# Allegro board ultrasound_tnr_1000a_01_20171121.brd (continued)
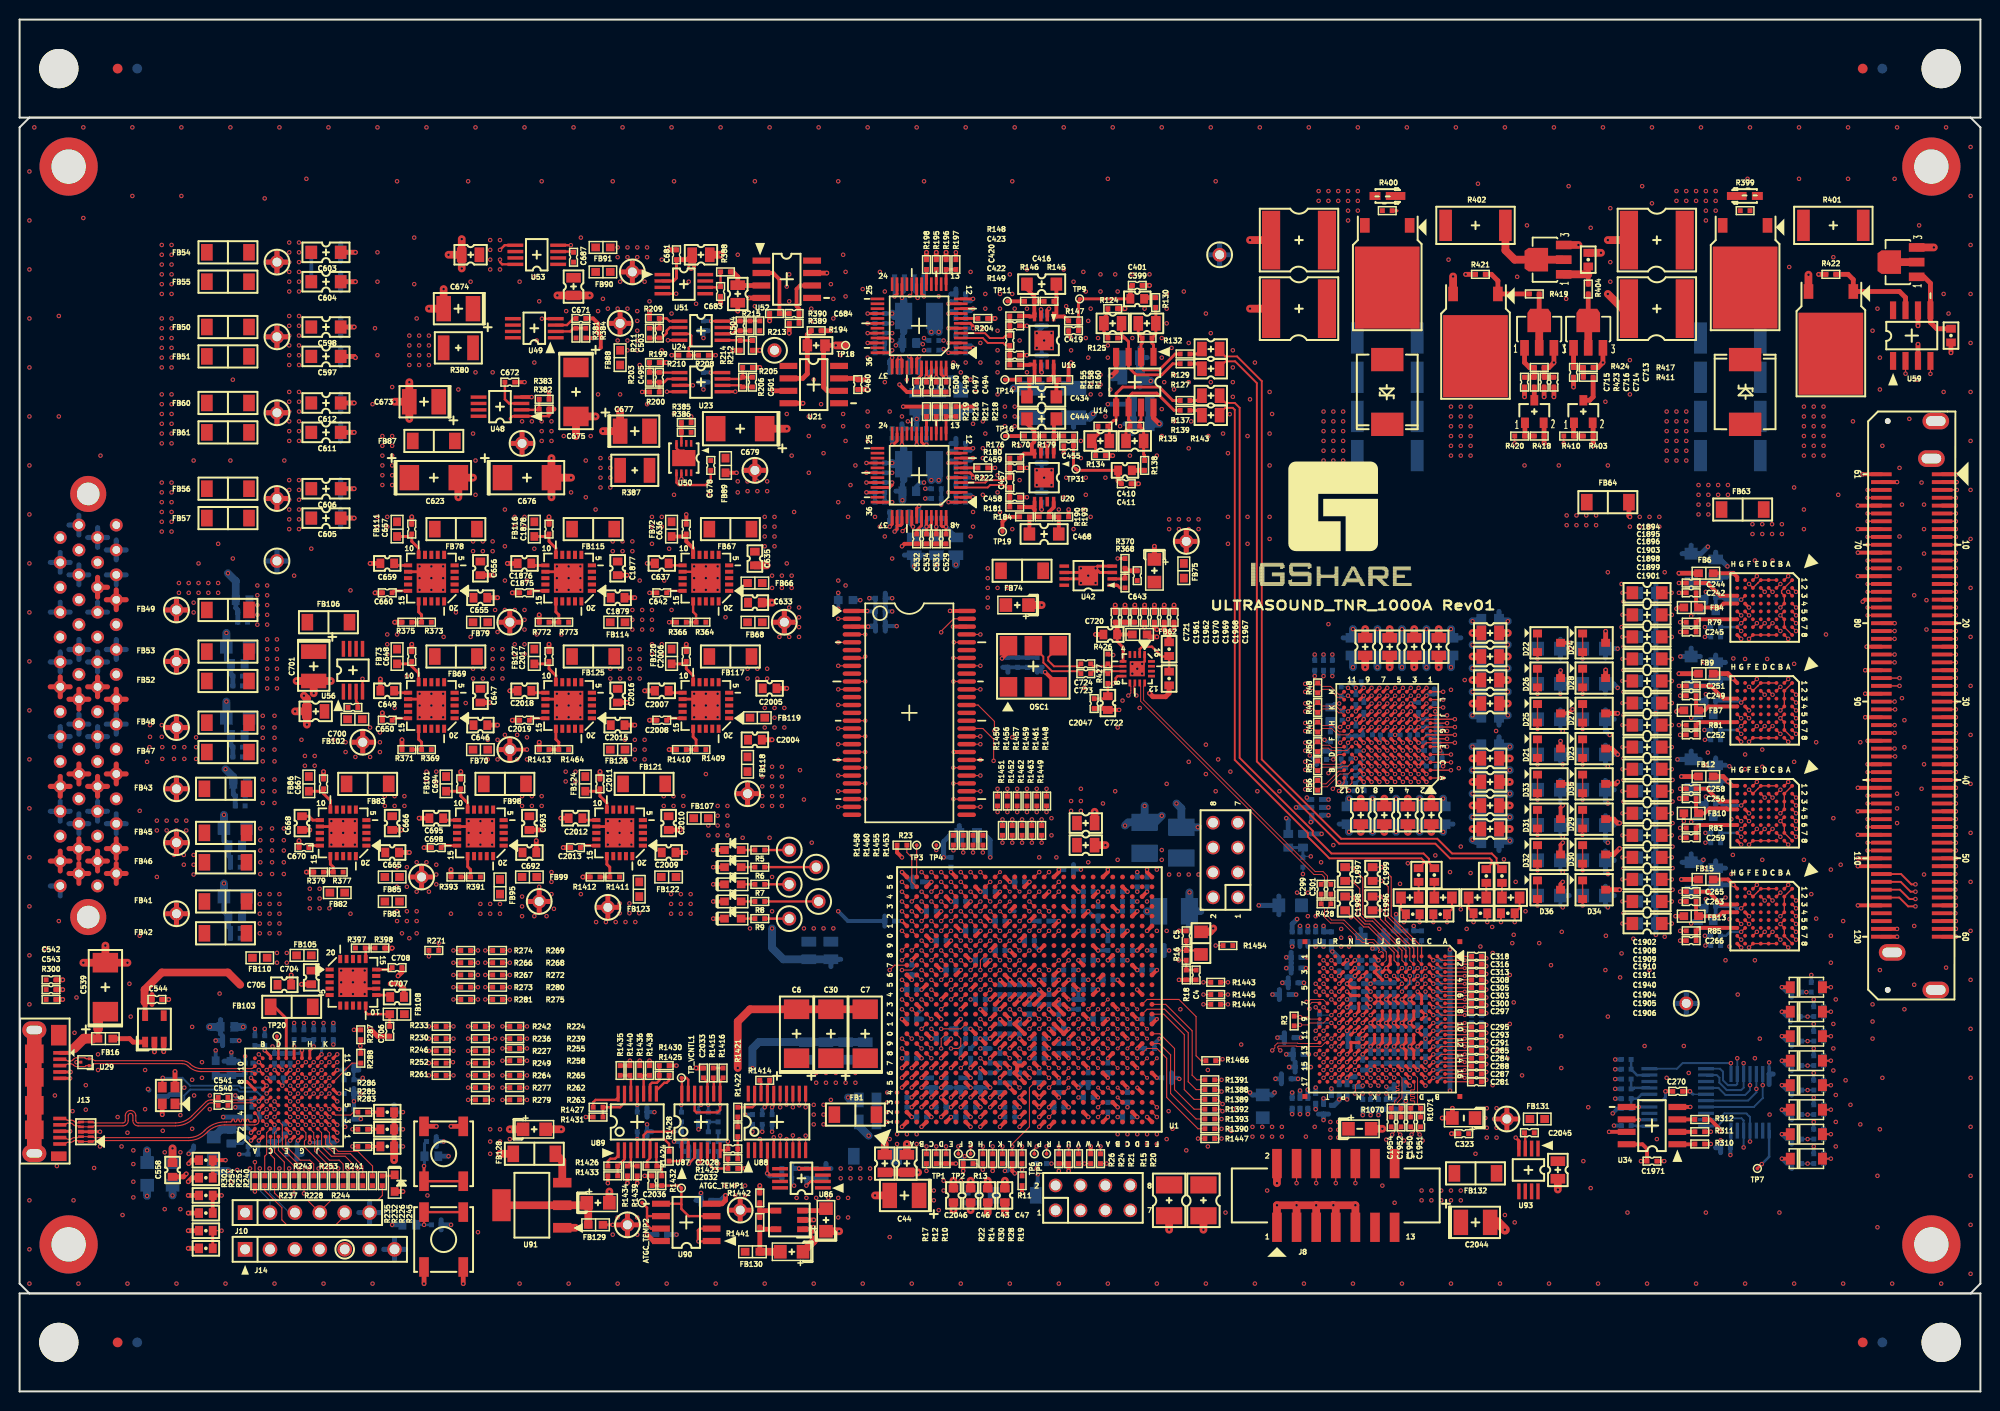
[diagram p0: board, top side]
## Routing (per net, layer and track width the routed paths; a pad name or vN(x,y) marks a point on that pad's centre or on a via; arc(x,y) is an arc through that point) (continued)
SD_DQ13: length 35.5
  TOP w0.115: U1.C26 v1(92,53) ; U31.50 v1(95.3,76.45)
  SIG3 w0.13: v1(95.3,76.45) 97.88,76.45 98.01,76.32 98.01,75.6 97.88,75.47 97.1,75.47 96.97,75.6 96.97,75.95 96.84,76.08 96.58,76.08 96.45,75.95 96.45,75.6 96.32,75.47 94.32,75.47 93.68,74.83 93.68,74.64 93.94,74.38 93.94,74.2 93.75,74.01 93.57,74.01 93.31,74.28 93.13,74.28 92.94,74.09 92.94,73.91 93.2,73.65 93.2,73.46 93.02,73.28 92.83,73.28 92.57,73.54 92.39,73.54 92,73.15 v1(92,53)
SD_DQ14: length 35.4
  TOP w0.115: U31.51 v1(98,77.25) ; U1.C23 v1(92,50)
  SIG3 w0.13: v1(92,50) 92,50.42 91.5,50.92 91.5,55.58 91.25,55.83 91.25,73.79 91.91,74.45 92.09,74.45 92.2,74.34 92.38,74.34 92.57,74.53 92.57,74.71 92.46,74.82 92.46,75 92.64,75.18 92.83,75.18 92.93,75.08 93.12,75.08 93.3,75.26 93.3,75.44 93.19,75.55 93.19,75.73 94.73,77.27 95.28,77.27 95.3,77.25 v1(98,77.25)
SD_DQ15: length 35.5
  TOP w0.115: v1(94,77.47) 94,77.58 95.27,78.85 U31.53 ; U1.C22 v1(92,48)
  SIG3 w0.13: v1(92,48) 91.5,48.5 91.5,50.25 90.5,51.25 90.5,73.97 v1(94,77.47)
SD_DQMH: length 32.6
  TOP w0.115: U1.D23 v1(93,50) ; v1(99.35,64.35) 99.35,66.55 98.25,67.65 U31.39
  SIG3 w0.13: v1(93,50) 92.5,49.5 92.5,47.75 92.75,47.5 93.25,47.5 93.5,47.25 93.5,46.75 93.75,46.5 96.25,46.5 96.5,46.75 96.5,50.25 96.75,50.5 97.25,50.5 97.5,50.75 97.5,54 97.75,54.25 97.75,55.5 98.75,56.5 98.75,63.75 v1(99.35,64.35)
SD_DQML: length 31.3
  TOP w0.115: U1.D24 v1(94,51) ; U31.15 v1(86.25,68.45)
  SIG2 w0.13: v1(94,51) U1.D24 89.25,50.5 82.25,57.5 82.25,67.5 83.2,68.45 v1(86.25,68.45)
SLCS#: length 50.2
  TOP w0.115: U1.F17 v1(95,44) ; R266.1 v1(46.75,43.75)
  SIG2 w0.13: v1(46.75,43.75) 47.25,44.25 88.5,44.25 88.75,44.5 94.5,44.5 v1(95,44)
SLOE#: length 47.8
  TOP w0.115: U1.E15 v1(95,42) ; R268.1 v1(50,43.75)
  SIG2 w0.13: v1(50,43.75) 89.25,43.75 89.5,43.5 94.5,43.5 95,43 v1(95,42)
SLRD#: length 46.9
  TOP w0.115: v1(95,45) U1.F18 ; R269.1 v1(50,45)
  SIG2 w0.13: v1(50,45) 88.25,45 88.75,45.5 94.25,45.5 94.75,45 v1(95,45)
SLWR#: length 49.5
  TOP w0.115: R267.1 v1(46.75,42.5) ; U1.E16 v1(94,42)
  SIG2 w0.13: v1(46.75,42.5) 47.5,43.25 86.5,43.25 87.25,42.5 93.5,42.5 v1(94,42)
SPI_CLOCK: length 77.1
  TOP w0.115: v1(92.5,22.5) R17.2
  SIG4 w0.13: v1(92.5,22.5) 92.5,21.5 84.6,13.6 41.65,13.6 39.5,15.75 28.04,15.75 J10.2
  BOTTOM w0.115: R248.1 24.5,20.5 25.54,19.46 J10.2
SPI_MISO: length 11.6
  TOP w0.115: J10.5 33.16,17.91 32.25,17 27.25,17 26.75,17.5 26.75,18.75 25,20.5 R254.1
SPI_MOSI: length 114.1
  TOP w0.115: U1.A25 v1(90,52)
  SIG4 w0.13: J10.3 29.83,16.5 39.5,16.5 41.8,14.2 84.45,14.2 91,20.75 91,22.75 93,24.75 93,26 94.5,27.5 94.5,33.5 95.5,34.5 97.25,34.5 97.5,34.75 97.5,48.25 97.25,48.5 90.75,48.5 90.5,48.75 U1.A25 v1(90,52)
  BOTTOM w0.115: R257.1 25.5,20.25 27.5,18.25 J10.3
SPI_SSN: length 103.9
  TOP w0.115: R251.1 26,20.25 26.75,19.5 29.37,19.5 J10.4 30.62,18.37 31.75,19.5 36.5,19.5 37,20 R245.1 ; U1.P6 v1(103,33) ; R14.1 v1(99.25,25)
  SIG1 w0.13: v1(99.25,25) 99.25,24.75 97.75,23.25 97.75,20.75 96.25,19.25 96.25,18.25 95.75,17.75 92.25,17.75 89,14.5 71.25,14.5 67.5,18.25 38.25,18.25 37.25,19.25 31.5,19.25 30.62,18.37 J10.4
  SIG4 w0.13: v1(103,33) 102,33 101.5,32.5 101.5,30.75 101,30.25 101,26.5 100,25.5 99.5,25.5 99.25,25.25 v1(99.25,25)
SS_RX_M: length 22.1
  TOP w0.118: J13.9 4.65,25.9 4.71,25.84 arc(4.84,25.76) 4.99,25.73 5.15,25.73 arc(5.23,25.74) 5.3,25.79 5.31,25.8 arc(5.43,25.87) 5.56,25.9 5.93,25.9 6.03,26 U27.9 U27.2 7.49,26 7.59,25.9 17.24,25.9 arc(18.08,26.07) 18.79,26.54 18.91,26.66 arc(19.83,27.28) 20.92,27.49 21.09,27.49 21.09,27.5 21.54,27.5 arc(21.62,27.54) 21.66,27.62 21.66,27.67 arc(21.78,27.79) 21.9,27.67 21.9,27.62 arc(22.03,27.5) 22.15,27.62 22.15,27.67 arc(22.27,27.79) 22.39,27.67 22.39,27.62 arc(22.52,27.5) 22.64,27.62 22.64,27.67 arc(22.76,27.79) 22.88,27.67 22.88,27.62 arc(23.01,27.5) 23.13,27.62 23.13,27.67 arc(23.25,27.79) 23.37,27.67 23.37,27.62 arc(23.41,27.54) 23.5,27.5 23.94,27.5 24,27.56 U26.A3
SS_RX_P: length 22.1
  TOP w0.118: U26.A4 24.13,28.27 arc(24.34,27.96) 24.41,27.6 arc(24.38,27.46) 24.3,27.34 arc(24.15,27.24) 23.97,27.2 22.84,27.2 22.83,27.19 20.92,27.19 arc(19.94,27) 19.12,26.45 19,26.33 arc(18.19,25.79) 17.24,25.6 7.58,25.6 7.48,25.5 U27.1 U27.10 6.01,25.5 5.91,25.6 5.64,25.6 arc(5.55,25.58) 5.47,25.53 arc(5.35,25.45) 5.22,25.43 4.92,25.43 arc(4.83,25.41) 4.76,25.36 4.65,25.25 J13.10
SS_TX_M: length 19.2
  TOP w0.118: J13.6 4.66,27.85 4.8,27.71 arc(4.83,27.69) 4.88,27.68 5.27,27.68 arc(5.44,27.65) 5.58,27.55 5.68,27.45 arc(5.73,27.42) 5.79,27.4 6.15,27.4 U27.6 U27.5 7.5,27.5 7.6,27.4 10.54,27.4 arc(10.71,27.47) 10.78,27.64 10.78,28.13 arc(11.32,28.67) 11.85,28.13 11.85,27.64 arc(11.92,27.47) 12.09,27.4 15.9,27.4 arc(16.79,27.58) 17.54,28.08 18.99,29.53 arc(19.23,29.69) 19.52,29.75 19.65,29.75 arc(19.97,29.81) C541.1
SS_TX_P: length 19.2
  TOP w0.118: J13.7 4.65,27.2 4.77,27.32 arc(4.84,27.36) 4.91,27.38 5.19,27.38 arc(5.32,27.36) 5.42,27.29 5.5,27.2 arc(5.61,27.13) 5.74,27.1 6.15,27.1 U27.7 U27.4 7.5,27 7.6,27.1 10.54,27.1 arc(10.92,27.26) 11.08,27.64 11.08,28.13 arc(11.32,28.37) 11.55,28.13 11.55,27.64 arc(11.71,27.26) 12.09,27.1 15.9,27.1 arc(16.9,27.3) 17.75,27.87 19.21,29.32 arc(19.35,29.42) 19.52,29.45 19.65,29.45 arc(19.97,29.39) C540.1
STATUS_LED0: length 27
  TOP w0.115: U1.G19 v1(97,45)
  TOP w0.25: R5.1 J3.1
  SIG4 w0.13: v1(97,45) U1.G19 96.5,47.25 96.25,47.5 89.75,47.5 82,55.25 J3.1
STATUS_LED1: length 23.4
  TOP w0.115: v1(95,47) U1.E20
  TOP w0.25: R6.1 J4.1
  SIG2 w0.13: v1(95,47) 94.5,47.5 94.5,49.25 94.25,49.5 86.25,49.5 82.25,53.5 J4.1
STATUS_LED2: length 23.4
  TOP w0.115: U1.E17 v1(94,44)
  TOP w0.25: R7.1 J5.1
  SIG4 w0.13: J5.1 83,51.75 88.25,46.5 93.5,46.5 94.41,45.59 94.41,44.41 v1(94,44)
STATUS_LED3: length 19.8
  TOP w0.115: U1.D19 v1(93,45)
  TOP w0.25: R8.1 J6.1
  SIG4 w0.13: v1(93,45) 92.5,45.5 91.5,45.5 91,46 87.75,46 83.75,50 J6.1
STATUS_LED4: length 19.8
  TOP w0.115: U1.D18 v1(93,44)
  TOP w0.25: R9.1 J7.1
  SIG4 w0.13: J7.1 84.25,48.25 87,45.5 90.25,45.5 90.5,45.25 90.5,44.75 90.75,44.5 92.5,44.5 v1(93,44)
TCK: length 24.5
  TOP w0.115: U26.F6 v1(28.4,30.4)
  SIG3 w0.13: J14.5 32,15.66 32,23 31,24 26.8,24 25.6,25.2 25.6,29.8 25.8,30 U26.F6 v1(28.4,30.4)
TDI: length 25.1
  TOP w0.115: U26.E7 v1(27.6,30.4)
  SIG3 w0.13: v1(27.6,30.4) 28,30.8 28,32.2 27.8,32.4 26.8,32.4 26,31.6 25,31.6 24,30.6 24,25.2 26,23.2 26,20.5 26.73,19.77 26.73,17.02 28.08,15.67 J14.3
TDO: length 26.6
  TOP w0.115: U26.C10 v1(25.2,32.8)
  SIG2 w0.13: v1(25.2,32.8) 25.75,32.25 25.75,31.25 27,30 27,22 27.5,21.5 33.25,21.5 34.5,20.25 34.5,17 35.7,15.8 J14.6
TMS: length 22.9
  TOP w0.115: U26.E8 v1(27.6,32)
  SIG3 w0.13: J14.4 30.62,15.44 29.25,16.81 29.25,19 28.75,19.5 28,19.5 27,20.5 27,23.2 24.8,25.4 24.8,30.6 25,30.8 25.8,30.8 27,32 v1(27.6,32)
TR_CH0: length 12.6
  TOP w0.14: U4.C1 U4.D1 U4.E1 177.32,82.52 U4.F2 v1(176.4,82.4) ; C1894.2 v1(168.5,81.5)
  SIG1 w0.14: v1(168.5,81.5) 169,82 170.4,82 170.8,82.4 v1(176.4,82.4)
TR_CH1: length 17.8
  TOP w0.14: C1895.2 v1(168.53,79.25) ; U4.A1 U4.B2 179.72,81.72 179.72,81.48 U4.B3 U4.B4 v1(179.6,80)
  SIG1 w0.14: v1(179.6,80) 178.3,80 176.8,81.5 173.3,81.5 172.4,80.6 168.9,80.6 168.53,80.23 v1(168.53,79.25)
TR_CH2: length 17.2
  TOP w0.14: U4.B5 v1(179.6,79.2) U4.B6 U4.B7 U4.A8 ; C1896.2 v1(168.53,77)
  SIG1 w0.14: v1(179.6,79.2) 178,79.2 176.7,80.5 176,80.5 174.3,78.8 171.5,78.8 169.7,77 v1(168.53,77)
TR_CH3: length 12.9
  TOP w0.14: U4.C8 U4.D8 U4.E8 U4.F8 v1(176.4,76.8) ; C1903.2 v1(168.53,74.75)
  SIG1 w0.14: v1(176.4,76.8) 175.5,75.9 169.3,75.9 168.53,75.13 v1(168.53,74.75)
TR_CH4: length 12.4
  TOP w0.14: C1898.2 v1(168.53,72.5) ; U5.C1 U5.D1 U5.E1 177.32,72.02 U5.F2 v1(176.4,71.9)
  SIG1 w0.14: v1(168.53,72.5) 170,72.5 170.2,72.3 176,72.3 v1(176.4,71.9)
TR_CH5: length 16.4
  TOP w0.14: U5.A1 U5.B2 U5.B3 U5.B4 v1(179.6,69.5) ; C1899.2 v1(168.53,70.25)
  SIG1 w0.14: v1(168.53,70.25) 173.25,70.25 174.1,71.1 176.8,71.1 178,69.9 179.2,69.9 v1(179.6,69.5)
TR_CH6: length 16.5
  TOP w0.14: U5.A8 U5.B7 U5.B6 v1(179.6,68.7) U5.B5 ; C1901.2 v1(168.53,68)
  SIG1 w0.14: v1(168.53,68) 169.83,69.3 175.3,69.3 176,70 176.9,70 177.8,69.1 179.2,69.1 v1(179.6,68.7)
TR_CH7: length 12.1
  TOP w0.14: U5.C8 U5.D8 U5.E8 U5.F8 v1(176.4,66.3) ; C1902.2 v1(168.53,65.75)
  SIG1 w0.14: v1(168.53,65.75) 175.85,65.75 v1(176.4,66.3)
TR_CH8: length 13.1
  TOP w0.14: U6.C1 U6.D1 U6.E1 177.32,61.52 U6.F2 v1(176.4,61.4) ; C1908.2 v1(168.53,63.5)
  SIG1 w0.14: v1(168.53,63.5) 170.7,63.5 172.8,61.4 v1(176.4,61.4)
TR_CH9: length 16.7
  TOP w0.14: C1909.2 v1(168.53,61.25) ; U6.A1 U6.B2 U6.B3 U6.B4 v1(179.6,59)
  SIG1 w0.14: v1(179.6,59) 178.2,59 176.8,60.4 174.3,60.4 173.9,60 171.1,60 170.1,61 168.78,61 v1(168.53,61.25)
TR_CH10: length 15.9
  TOP w0.14: U6.B5 v1(179.6,58.2) U6.B6 U6.B7 U6.A8 ; C1910.2 v1(168.53,59)
  SIG1 w0.14: v1(168.53,59) 175.6,59 176.1,59.5 176.7,59.5 178,58.2 v1(179.6,58.2)
TR_CH11: length 12.9
  TOP w0.14: v1(176.4,55.8) U6.F8 U6.E8 U6.D8 U6.C8 ; C1911.2 v1(168.53,56.75)
  SIG1 w0.14: v1(176.4,55.8) 175.9,55.3 169.6,55.3 168.53,56.37 v1(168.53,56.75)
TR_CH12: length 13.7
  TOP w0.14: v1(176.4,50.9) U7.F2 177.32,51.02 U7.E1 U7.D1 U7.C1 ; C1940.2 v1(168.53,54.5)
  SIG1 w0.14: v1(168.53,54.5) 170.83,52.2 175.1,52.2 v1(176.4,50.9)
TR_CH13: length 17
  TOP w0.14: U7.A1 U7.B2 U7.B3 U7.B4 v1(179.6,48.5) ; C1904.2 v1(168.53,52.25)
  SIG1 w0.14: v1(168.53,52.25) 168.85,52.25 171.3,49.8 177.3,49.8 178.6,48.5 v1(179.6,48.5)
TR_CH14: length 16.4
  TOP w0.14: U7.B5 v1(179.6,47.7) U7.B6 U7.B7 U7.A8 ; C1905.2 v1(168.53,50)
  SIG1 w0.14: v1(168.53,50) 169.83,48.7 175.9,48.7 176.2,49 176.9,49 178.2,47.7 v1(179.6,47.7)
TR_CH15: length 14.5
  TOP w0.14: C1906.2 v1(168.53,47.75) ; v1(176.4,45.3) U7.F8 U7.E8 U7.D8 U7.C8
  SIG1 w0.14: v1(176.4,45.3) 175.8,44.7 169.7,44.7 168.53,45.87 v1(168.53,47.75)
TX_TRIG: length 15.3
  TOP w0.115: v1(136.2,32.8) U11.M15 ; R1391.2 v1(122.6,31.8)
  SIG3 w0.13: v1(122.6,31.8) 124,31.8 124.6,32.4 135.8,32.4 v1(136.2,32.8)
TXCL: length 88.7
  TOP w0.115: R1447.2 v1(122.6,25.8)
  TOP w0.14: J17.57 v1(197.45,48.8)
  SIG4 w0.13: v1(122.6,25.8) 124,25.8 125,24.8 152.4,24.8 169.6,42 192.2,42 195.8,45.6 195.8,48 196.6,48.8 v1(197.45,48.8)
U3RX_VDDQ: length 5.1
  TOP w0.3: U26.A2 v1(23.6,26.4)
  BOTTOM w0.3: C560.2 21.8,26.9 C559.2 23.3,26.9 23.6,26.6 v1(23.6,26.4)
  BOTTOM w0.8: FB17.1 20.54,26.7 C560.2
U3TX_VDDQ: length 4.4
  TOP w0.3: U26.B5 v1(24.4,28.8)
  TOP w0.8: v1(15.6,24.8) C558.2
  BOTTOM w0.3: C557.2 24.4,28.1 v1(24.4,28.8)
  BOTTOM w0.8: FB18.1 v1(15.6,24.8)
  vias: v1(14.8,24.4) v1(16.4,24.4)
USB_5VBUS: length 3.4
  TOP w0.5: U30.1 12.12,35.65 12.11,35.65 11.58,35.65 11.23,36 FB16.1
USB_BUS: length 21.6
  TOP w0.3: FB103.1 26,39.25 27.2,38.05 U26.E11
  TOP w0.5: C544.2 13.11,40 12.8,39.69 U30.5
  TOP w0.515: 13.5,40.5 C544.2 13.5,39.5
  TOP w0.8: 22.5,41.5 21.25,42.75 14.5,42.75 12.75,41 12.75,39.74 12.8,39.69
VCNTLP_IN: length 99
  TOP w0.115: U11.H4 v1(139.4,42.4)
  TOP w0.25: U90.1 70.55,15.31 v1(69.25,15.31) 69.19,15.37 69.19,16.44 69.36,16.62 U90.2
  SIG1 w0.13: v1(139.4,42.4) 139.4,41.2 139.8,40.8 139.8,28.4 137.5,26.1 137.5,26
  SIG1 w0.25: v1(69.25,15.31) 71.06,13.5 129.75,13.5 137.5,21.25 137.5,26
VCNTLP_IN1: length 5.5
  TOP w0.25: ATGC_TEMP2.1 64,18.75 64,17.88 ; 64,17.88 64,17 64.39,16.62 U90.7 ; 64,17.88 64,17.88 U90.6
VMID: length 43.1
  TOP w0.3: U25.46 v1(93.5,88.25) C531.1 ; C497.1 v1(93.5,103.5) U22.46
  TOP w0.5: R205.1 v1(75.5,104.5)
  SIG1 w0.8: v1(93.5,88.25) 93.5,88.75 94.25,89.5 95,89.5 95.75,90.25 95.75,98 93.5,100.25 v1(93.5,103.5)
  SIG4 w0.8: v1(93.5,103.5) 93.5,104 92.93,104.57 75.57,104.57 v1(75.5,104.5)
  BOTTOM w0.4: C530.1 v1(93.5,88.25) ; v1(93.5,103.5) 93.75,103.25 C496.1
VREF_DAC: length 6.4
  TOP w0.25: U88.4 76.28,22.3 76.33,22.25
  TOP w0.3: U86.6 76.5,22.07 76.33,22.25 v1(76.25,22.25)
  BOTTOM w0.5: v1(76.25,22.25) 76.5,22 77.75,22 ; C2024.1 77.75,22 ; 77.75,22 C2026.1
VREFN: length 68.7
  TOP w0.3: v1(92.5,103.5) 92.75,103.5 93,103.75 U22.45 ; v1(92.5,103.5) U22.44 ; v1(92.5,103.5) C499.1 ; v1(92.5,88.25) 92.75,88.25 93,88.5 U25.45 ; v1(92.5,88.25) U25.44 ; v1(92.5,88.25) C534.1
  TOP w0.5: R209.1 v1(64.25,110.25)
  SIG3 w0.8: 87.75,101.18 88.32,101.75 92,101.75 92.5,102.25 v1(92.5,103.5) ; 87.75,101.18 87.75,90.05 88.55,89.25 91.75,89.25 92.5,88.5 v1(92.5,88.25) ; 87.75,101.18 83.57,101.18 82.63,102.12 78.87,102.12 77.5,100.75 66.25,100.75 64.25,102.75 v1(64.25,110.25)
  BOTTOM w0.4: C533.1 91.4,87.15 v1(92.5,88.25) 92.5,88.88 92.75,89.12 C527.2 ; C498.1 91.5,102.5 v1(92.5,103.5) 92.5,103.72 92.9,104.12 C492.2
VREFP: length 61
  TOP w0.3: U25.48 v1(94.5,88.25) ; v1(94.5,88.25) C529.1 ; v1(94.5,88.25) 94.12,88.25 94,88.38 U25.47 ; C494.1 v1(94.5,103.5) ; v1(94.5,103.5) U22.48 ; v1(94.5,103.5) 94.3,103.5 94,103.8 U22.47
  TOP w0.5: R199.1 v1(66,105)
  SIG3 w0.8: v1(94.5,88.25) 95.45,88.25 96.25,89.05 96.25,100 94.5,101.75 v1(94.5,103.5) 94.5,104 93.75,104.75 91.25,104.75 91,104.5 78.25,104.5 76.75,103 72.75,103 70.75,105 v1(66,105)
  BOTTOM w0.4: C527.1 94.25,89.12 94.5,88.88 v1(94.5,88.25) 95.5,87.25 C528.1 ; C493.1 96,102.72 95.22,103.5 v1(94.5,103.5) 94.5,103.75 C492.1
XDCR0: length 28.4
  TOP w0.14: U3.K1 v1(145.2,69.8) ; v1(163.5,81.5) C1894.1
  SIG1 w0.14: v1(163.5,81.5) 157,81.5 152.3,76.8 151.2,76.8 150.7,76.3 150.7,74 148.7,72 147.4,72 v1(145.2,69.8)
  BOTTOM w0.14: R1022.2 v1(163.5,81.5)
XDCR1: length 27.6
  TOP w0.14: U3.J1 v1(145.6,69) ; v1(163.5,79.25) C1895.1
  SIG1 w0.14: v1(145.6,69) 147.4,70.8 148.8,70.8 151.15,73.15 151.95,73.15 152.9,74.1 152.9,76.15 156,79.25 v1(163.5,79.25)
  BOTTOM w0.14: R1024.2 v1(163.5,79.25)
XDCR2: length 27.6
  TOP w0.14: v1(163.5,77) C1896.1 ; v1(146.4,68.6) 143.5,68.6 U3.H2
  SIG1 w0.14: v1(163.5,77) 155.25,77 154,75.75 154,74.1 151.9,72 151.1,72 148.65,69.55 147.95,69.55 147,68.6 v1(146.4,68.6)
  BOTTOM w0.14: R1026.2 v1(163.5,77)
XDCR3: length 26
  TOP w0.14: U3.G2 143.5,67.8 v1(146.4,67.8) ; v1(163.5,74.75) C1903.1
  SIG1 w0.14: v1(163.5,74.75) 162.95,74.2 155.3,74.2 151.9,70.8 151.4,70.8 148.4,67.8 v1(146.4,67.8)
  BOTTOM w0.14: R1040.2 v1(163.5,74.75)
XDCR4: length 25.4
  TOP w0.14: U3.F2 143.5,67 v1(146.4,67) ; v1(163.5,72.5) C1898.1
  SIG1 w0.14: v1(163.5,72.5) 155,72.5 152.1,69.6 151.6,69.6 149,67 v1(146.4,67)
  BOTTOM w0.14: R1031.2 v1(163.5,72.5)
XDCR5: length 24.8
  TOP w0.14: v1(163.5,70.25) C1899.1 ; v1(146.4,66.2) 143.5,66.2 U3.E2
  SIG1 w0.14: v1(146.4,66.2) 146.5,66.3 150.1,66.3 154.05,70.25 v1(163.5,70.25)
  BOTTOM w0.14: R1033.2 v1(163.5,70.25)
XDCR6: length 23.6
  TOP w0.14: v1(163.5,68) C1901.1 ; U3.D1 v1(146,65)
  SIG1 w0.14: v1(163.5,68) 163.3,68.2 153.2,68.2 150.2,65.2 146.2,65.2 v1(146,65)
  BOTTOM w0.14: R1037.2 v1(163.5,68)
XDCR7: length 22.9
  TOP w0.14: v1(163.5,65.75) C1902.1 ; U3.C1 v1(146,64.2)
  SIG1 w0.14: v1(146,64.2) 146.1,64.1 150.35,64.1 151.53,65.28 161.93,65.28 162.4,65.75 v1(163.5,65.75)
  BOTTOM w0.14: R1039.2 v1(163.5,65.75)
XDCR8: length 25.9
  TOP w0.14: v1(163.5,63.5) C1908.1 ; U3.M1 v1(145.2,71.4)
  SIG4 w0.14: v1(145.2,71.4) 145.7,70.9 149,70.9 156.9,63 163,63 v1(163.5,63.5)
  BOTTOM w0.14: R1051.2 v1(163.5,63.5)
XDCR9: length 26.5
  TOP w0.14: v1(145.2,70.6) U3.L1 ; v1(163.5,61.25) C1909.1
  SIG4 w0.14: v1(145.2,70.6) 146.2,69.6 149.2,69.6 152.85,65.95 152.85,65.15 156.75,61.25 v1(163.5,61.25)
  BOTTOM w0.14: R1053.2 v1(163.5,61.25)
XDCR10: length 27.2
  TOP w0.14: U3.H1 v1(145.6,68.2) ; v1(163.5,59) C1910.1
  SIG4 w0.14: v1(145.6,68.2) 149,68.2 151.05,66.15 151.05,64.2 151.25,64 152.3,64 157.3,59 v1(163.5,59)
  BOTTOM w0.14: R1055.2 v1(163.5,59)
XDCR11: length 28.4
  TOP w0.14: v1(163.5,56.75) C1911.1 ; U3.G1 v1(145.6,67.4)
  SIG4 w0.14: v1(145.6,67.4) 148.2,67.4 150.1,65.5 150.1,63.6 150.9,62.8 152.3,62.8 153.9,61.2 153.9,60.1 156.6,57.4 162.85,57.4 v1(163.5,56.75)
  BOTTOM w0.14: R1057.2 v1(163.5,56.75)
XDCR12: length 29.3
  TOP w0.14: v1(163.5,54.5) C1940.1 ; U3.F1 v1(145.6,66.6)
  SIG4 w0.14: v1(163.5,54.5) 160.5,54.5 159.9,55.1 157.4,55.1 152.9,59.6 152.9,61 152.4,61.5 150.1,61.5 149,62.6 149,64.8 148.6,65.2 148,65.2 146.6,66.6 v1(145.6,66.6)
  BOTTOM w0.14: R1041.2 v1(163.5,54.5)
XDCR13: length 31
  TOP w0.14: v1(163.5,52.25) C1904.1 ; U3.E1 v1(145.6,65.8)
  SIG4 w0.14: v1(145.6,65.8) 145.9,65.8 147.4,64.3 147.4,59.6 147.8,59.2 152.1,59.2 154.1,57.2 154.1,56.5 156.8,53.8 157.7,53.8 159.25,52.25 v1(163.5,52.25)
  BOTTOM w0.14: R1043.2 v1(163.5,52.25)
XDCR14: length 31.3
  TOP w0.14: v1(163.5,50) C1905.1 ; U3.B1 v1(146,63.4)
  SIG4 w0.14: v1(146,63.4) 146.6,62.8 146.6,58.7 147.3,58 150.1,58 151.4,56.7 152.3,56.7 153.9,55.1 153.9,53.1 156.6,50.4 163.1,50.4 v1(163.5,50)
  BOTTOM w0.14: R1045.2 v1(163.5,50)
XDCR15: length 31.3
  TOP w0.14: U3.A1 v1(145.2,62.6) ; v1(163.5,47.75) C1906.1
  SIG4 w0.14: v1(163.5,47.75) 157.75,47.75 153,52.5 153,53.5 149.7,56.8 147,56.8 145.7,58.1 145.7,62.1 v1(145.2,62.6)
  BOTTOM w0.14: R1047.2 v1(163.5,47.75)
XTALIN: length 12.5
  TOP w0.2: Y1.1 v1(16.8,29.35) ; U26.C6 v1(25.2,29.6)
  BOTTOM w0.2: v1(25.2,29.6) 24.2,30.6 22.4,30.6 22.2,30.8 17.4,30.8 16.8,30.2 v1(16.8,29.35) 16.75,29.3 C538.1
XTALOUT: length 13.7
  TOP w0.2: Y1.3 14.55,31.95 v1(14.6,32) ; U26.C7 v1(25.2,30.4)
  BOTTOM w0.2: v1(25.2,30.4) 24.6,31 22.6,31 22.4,31.2 17.4,31.2 16.6,32 v1(14.6,32) C537.1
N00363: length 24.3
  TOP w0.115: U26.F10 v1(28.4,33.6) ; R224.2 v1(49.25,37.25)
  SIG1 w0.13: v1(49.25,37.25) 48.5,38 39,38 35.8,34.8 29.6,34.8 v1(28.4,33.6)
N00391: length 23.9
  TOP w0.115: U26.F9 v1(28.4,32.8) ; v1(45.75,34.75) R227.2
  SIG1 w0.13: v1(45.75,34.75) 45.75,34.33 45,33.58 45,32 43.8,30.8 28.2,30.8 28,31 U26.F9 v1(28.4,32.8)
N01465: length 12.2
  TOP w0.115: U1.R7 v1(105,33) ; v1(110.25,25) R20.1
  SIG4 w0.13: v1(105,33) 105.5,32.5 106.25,32.5 106.5,32.25 106.5,28.5 110,25 v1(110.25,25)
N01493: length 11.8
  TOP w0.115: R19.1 v1(102.25,25) ; U1.N8 v1(102,35)
  SIG1 w0.13: v1(102.25,25) 102.25,26.25 102.5,26.5 U1.N8 v1(102,35)
N01511: length 12.2
  TOP w0.115: U1.L8 v1(101,34) ; R22.1 v1(98.25,25)
  SIG4 w0.13: v1(98.25,25) 98.25,25.5 98.75,26 99.75,26 100.5,26.75 100.5,33.5 v1(101,34)
N01515: length 9.7
  TOP w0.115: U1.R6 v1(105,32) ; R21.1 v1(108,25)
  SIG4 w0.13: v1(105,32) 105.5,31.5 105.5,29.75 106,29.25 106,28.25 108,26.25 v1(108,25)
N01573: length 19.1
  TOP w0.115: U26.F7 v1(27.6,31.2) ; R230.2 v1(41.75,36)
  SIG1 w0.13: v1(27.6,31.2) 27.2,31.6 27.2,33 27.4,33.2 36.8,33.2 39.6,36 v1(41.75,36)
N01595: length 15.4
  TOP w0.115: U26.G10 v1(29.2,33.6) ; R233.2 v1(41.75,37.25)
  SIG1 w0.13: v1(41.75,37.25) 39.75,37.25 36.5,34 29.6,34 v1(29.2,33.6)
N01627: length 24.3
  TOP w0.115: U1.M12 v1(101,39) ; R16.2 v1(118.25,45)
  TOP w0.25: C5.1 R16.2 120.09,45 FB133.1
  SIG4 w0.13: v1(118.25,45) 117.75,44.5 112.5,44.5 110.5,42.5 109.75,42.5 109.5,42.25 109.5,41.5 107.5,39.5 101.5,39.5 v1(101,39)
N01661: length 20.6
  TOP w0.115: R16.1 v1(118.25,44) ; U1.P12 v1(104,38)
  TOP w0.25: C4.1 R18.2 R16.1
  SIG4 w0.13: v1(118.25,44) 114,44 112.5,42.5 111.75,42.5 111.5,42.25 111.5,41.5 110.25,40.25 109.25,40.25 107.5,38.5 104.5,38.5 v1(104,38)
N01681: length 19.5
  TOP w0.115: R236.2 v1(45.75,36) ; U26.G9 v1(29.2,32)
  SIG1 w0.13: v1(45.75,36) 45.25,35.5 40.7,35.5 37.6,32.4 29.6,32.4 v1(29.2,32)
N01703: length 24.2
  TOP w0.115: R239.2 v1(49.25,36) ; v1(28.4,32) U26.F8
  SIG1 w0.13: v1(28.4,32) 28.8,31.6 38.2,31.6 40.85,34.25 44.5,34.25 45.75,35.5 48.75,35.5 v1(49.25,36)
N01784: length 1.8
  TOP w0.3: U25.17 R219.2
N01789: length 19.2
  TOP w0.115: U26.H10 v1(30,33.6) ; R242.2 v1(45.75,37.25)
  SIG3 w0.13: v1(45.75,37.25) 45.25,37.25 44.6,36.6 35.35,36.6 33.75,35 30.4,35 30,34.6 v1(30,33.6)
N01811: length 14.8
  TOP w0.115: R246.2 v1(41.75,34.75) ; U26.H9 v1(30,32.8)
  SIG3 w0.13: v1(41.75,34.75) 41.1,35.4 35.65,35.4 34.25,34 30.6,34 30.4,33.8 30.4,33.2 v1(30,32.8)
N01903: length 17.6
  TOP w0.115: TP2.1 v1(97,25) ; U1.P11 v1(103,37)
  SIG4 w0.13: v1(103,37) 101,37 100.5,36.5 100.5,34.5 99.5,33.5 99.5,27 99,26.5 98.25,26.5 97,25.25 v1(97,25)
N01907: length 18.8
  TOP w0.115: U1.N12 v1(102,39) ; TP1.1 v1(95.75,25)
  SIG4 w0.13: v1(102,39) 101.5,38.5 100.75,38.5 100.5,38.25 100.5,37.5 99.5,36.5 99.5,35.5 98.5,34.5 98.5,27.75 98.25,27.5 97.75,27.5 97.5,27.25 97.5,26.75 v1(95.75,25)
N01911: length 3.2
  TOP w0.115: U1.B26 TP3.1
N01915: length 13.9
  TOP w0.115: TP6.1 103.5,24.75 v1(103.75,25) ; U1.R11 v1(104,37)
  SIG1 w0.13: v1(103.75,25) 103.5,25.25 103.5,36.5 v1(104,37)
N01919: length 14.8
  TOP w0.115: TP5.1 v1(104.75,25) ; U1.R12 v1(105,38)
  SIG4 w0.13: v1(105,38) 104.5,37.5 104.5,25.25 v1(104.75,25)
N01952: length 2
  TOP w0.3: C532.1 91.5,87.88 92,88.38 U25.43
N01956: length 2.8
  TOP w0.3: U25.13 R217.2 R218.2
N02034: length 1.8
  TOP w0.3: U25.15 R216.2
N02039: length 4.7
  TOP w0.115: R23.1 90.5,55 91,54.5 91,52 U1.B25
N02041: length 17
  TOP w0.115: U26.J10 v1(30.8,33.6) ; R249.2 v1(45.75,33.5)
  SIG3 w0.13: v1(45.75,33.5) 45.25,34 35.75,34 34.95,33.2 31.2,33.2 v1(30.8,33.6)
N02056: length 1.8
  TOP w0.3: U25.8 R222.2
N02063: length 12.9
  TOP w0.115: U26.J9 v1(30.8,32.8) ; R252.2 v1(41.75,33.5)
  SIG3 w0.13: v1(30.8,32.8) 31.2,32.4 40.65,32.4 v1(41.75,33.5)
N02093: length 19.6
  TOP w0.115: R255.2 v1(49.25,35) ; U26.K11 v1(31.6,34.4)
  SIG4 w0.13: v1(49.25,35) 48.75,35 48.25,35.5 40,35.5 39.3,34.8 32,34.8 v1(31.6,34.4)
N02097: length 18.6
  TOP w0.115: U26.L10 v1(32.4,33.6) ; R258.2 v1(49.25,33.75)
  SIG4 w0.13: v1(49.25,33.75) 48.75,33.75 48.25,34.25 40.25,34.25 40,34 32.8,34 v1(32.4,33.6)
N02145: length 12
  TOP w0.115: U26.K10 v1(31.6,33.6) ; R261.2 v1(41.75,32.25)
  SIG4 w0.13: v1(41.75,32.25) 39.75,32.25 38.8,33.2 32,33.2 v1(31.6,33.6)
N02167: length 20.6
  TOP w0.115: v1(49.25,31) R262.2 ; U26.K9 v1(30.8,32)
  SIG4 w0.13: v1(49.25,31) 48.75,30.5 39.25,30.5 38.15,31.6 31.2,31.6 v1(30.8,32)
N02197: length 21.6
  TOP w0.115: U26.J8 v1(30,31.2) ; R263.2 v1(49.25,29.75)
  SIG4 w0.13: v1(49.25,29.75) 48.75,29.25 39.5,29.25 37.95,30.8 30.4,30.8 v1(30,31.2)
N02219: length 20
  TOP w0.115: U26.G8 v1(28.4,31.2) ; v1(45.75,32.25) R264.2
  SIG4 w0.13: v1(45.75,32.25) 45.25,31.75 39.25,31.75 38.6,32.4 28.93,32.4 28.8,32.27 U26.G8 v1(28.4,31.2)
N02305: length 20.5
  TOP w0.115: U26.J6 v1(30.8,30.4) ; R265.2 v1(49.25,32.25)
  SIG3 w0.13: v1(30.8,30.4) 31.2,30.8 43.3,30.8 44,31.5 48.08,31.5 48.83,32.25 v1(49.25,32.25)
N02367: length 10.7
  TOP w0.115: U1.C8 v1(93,34) ; R17.1 v1(92.5,25)
  SIG4 w0.13: v1(92.5,25) 92.5,33.5 v1(93,34)
N02435: length 20.5
  TOP w0.115: U26.K8 v1(31.6,32) ; R266.2 v1(44.25,43.75)
  SIG2 w0.13: v1(31.6,32) 34.2,32 38.25,36.05 38.25,38.85 43.15,43.75 v1(44.25,43.75)
N02664: length 20.9
  TOP w0.115: R267.2 v1(44.25,42.5) ; U26.K7 v1(31.6,31.2)
  SIG2 w0.13: v1(44.25,42.5) 43.1,42.5 39.2,38.6 39.2,34.8 35.6,31.2 v1(31.6,31.2)
N02668: length 25.4
  TOP w0.115: U26.J7 v1(30.8,31.2) ; R268.2 v1(47.5,43.75)
  SIG2 w0.13: v1(47.5,43.75) 46.75,43 43,43 38.75,38.75 38.75,34.95 35.4,31.6 31.2,31.6 v1(30.8,31.2)
N02716: length 28
  TOP w0.115: U26.H7 v1(29.2,30.4) ; R269.2 v1(47.5,45)
  SIG2 w0.13: v1(29.2,30.4) U26.H7 30.2,30.8 30.4,31 30.4,32.27 30.53,32.4 34,32.4 37.75,36.15 37.75,38.95 43.05,44.25 46.75,44.25 v1(47.5,45)
N02738: length 23.1
  TOP w0.115: U26.G7 v1(29.2,31.2) ; R271.2 v1(41.75,44.4)
  SIG2 w0.13: v1(41.75,44.4) 41.75,44.15 36.75,39.15 36.75,36.35 34.4,34 28.93,34 28.8,33.87 28.8,31.6 v1(29.2,31.2)
N02768: length 28.4
  TOP w0.115: U26.G6 v1(28.4,29.6) ; R272.2 v1(47.5,42.5)
  SIG2 w0.13: v1(47.5,42.5) 47,42 43.2,42 39.6,38.4 39.6,34.6 35.8,30.8 31.33,30.8 31.2,30.67 31.2,30 30.8,29.6 v1(28.4,29.6)
N02772: length 21
  TOP w0.115: U26.K6 v1(31.6,30.4) ; R273.2 v1(44.25,41.25)
  SIG2 w0.13: v1(44.25,41.25) 43.05,41.25 40,38.2 40,34.4 35.6,30 32,30 v1(31.6,30.4)
N02820: length 23.8
  TOP w0.115: U26.H8 v1(30,32) ; R274.2 v1(44.25,45)
  SIG2 w0.13: v1(30,32) 29.6,32.4 29.6,33.07 29.73,33.2 34.2,33.2 37.25,36.25 37.25,39.05 42.95,44.75 44,44.75 v1(44.25,45)
N02848: length 27.9
  TOP w0.115: U26.G5 v1(29.2,28.8) ; R275.2 v1(47.5,40)
  SIG2 w0.13: v1(47.5,40) 46.75,39.25 42.85,39.25 41.2,37.6 41.2,33.8 36.3,28.9 35.1,28.9 34.8,28.6 33.8,28.6 32.8,27.6 29.73,27.6 29.6,27.73 29.6,28.4 v1(29.2,28.8)
N03009: length 17.6
  TOP w0.115: U26.H6 v1(30,30.4) ; R277.2 v1(45.75,31)
  SIG3 w0.13: v1(45.75,31) 45.2,31 44.2,30 30.4,30 v1(30,30.4)
N03013: length 15.9
  TOP w0.115: R279.2 v1(45.75,29.75) ; U26.K5 v1(31.6,28.8)
  SIG3 w0.13: v1(45.75,29.75) 45.15,29.75 44.6,29.2 32,29.2 v1(31.6,28.8)
N03061: length 25.4
  TOP w0.115: R280.2 v1(47.5,41.25) ; U26.J5 v1(30.8,28.8)
  SIG2 w0.13: v1(47.5,41.25) 46.75,40.5 42.9,40.5 40.4,38 40.4,34.2 35.8,29.6 34.8,29.6 34.4,29.2 31.2,29.2 v1(30.8,28.8)
N03089: length 22.8
  TOP w0.115: R281.2 v1(44.25,40) ; U26.H5 v1(30,28.8)
  SIG2 w0.13: v1(30,28.8) 30.4,28.4 33,28.4 33.49,28.89 34.6,28.89 34.91,29.2 36,29.2 40.8,34 40.8,37.8 43,40 v1(44.25,40)
N03347: length 6.2
  TOP w0.115: v1(30,28) U26.H4 ; R285.2 v1(33.95,26.75)
  SIG1 w0.13: v1(33.95,26.75) 33.6,26.4 33,26.4 32.6,26.8 30.6,26.8 30.4,27 30.4,27.6 v1(30,28)
